# Altium PCB roach2.PcbDoc (part 27 of 39)
Units mil, origin at the board's own origin, x right, y up, seen from the top; angles counter-clockwise.
Board outline 12007.87 x 9606.3 mil, 16 copper layers (L1_TOP, L2_G, L3_S, L4_G, L5_S, L6_P, L7_G, L8_R, L9_R, L10_P, L11_P, L12_S, L13_P, L14_S, L15_G, L16_BOT), stack 81.651 mil thick; 1568 components, 1918 nets, 9251 pads, 6741 vias.
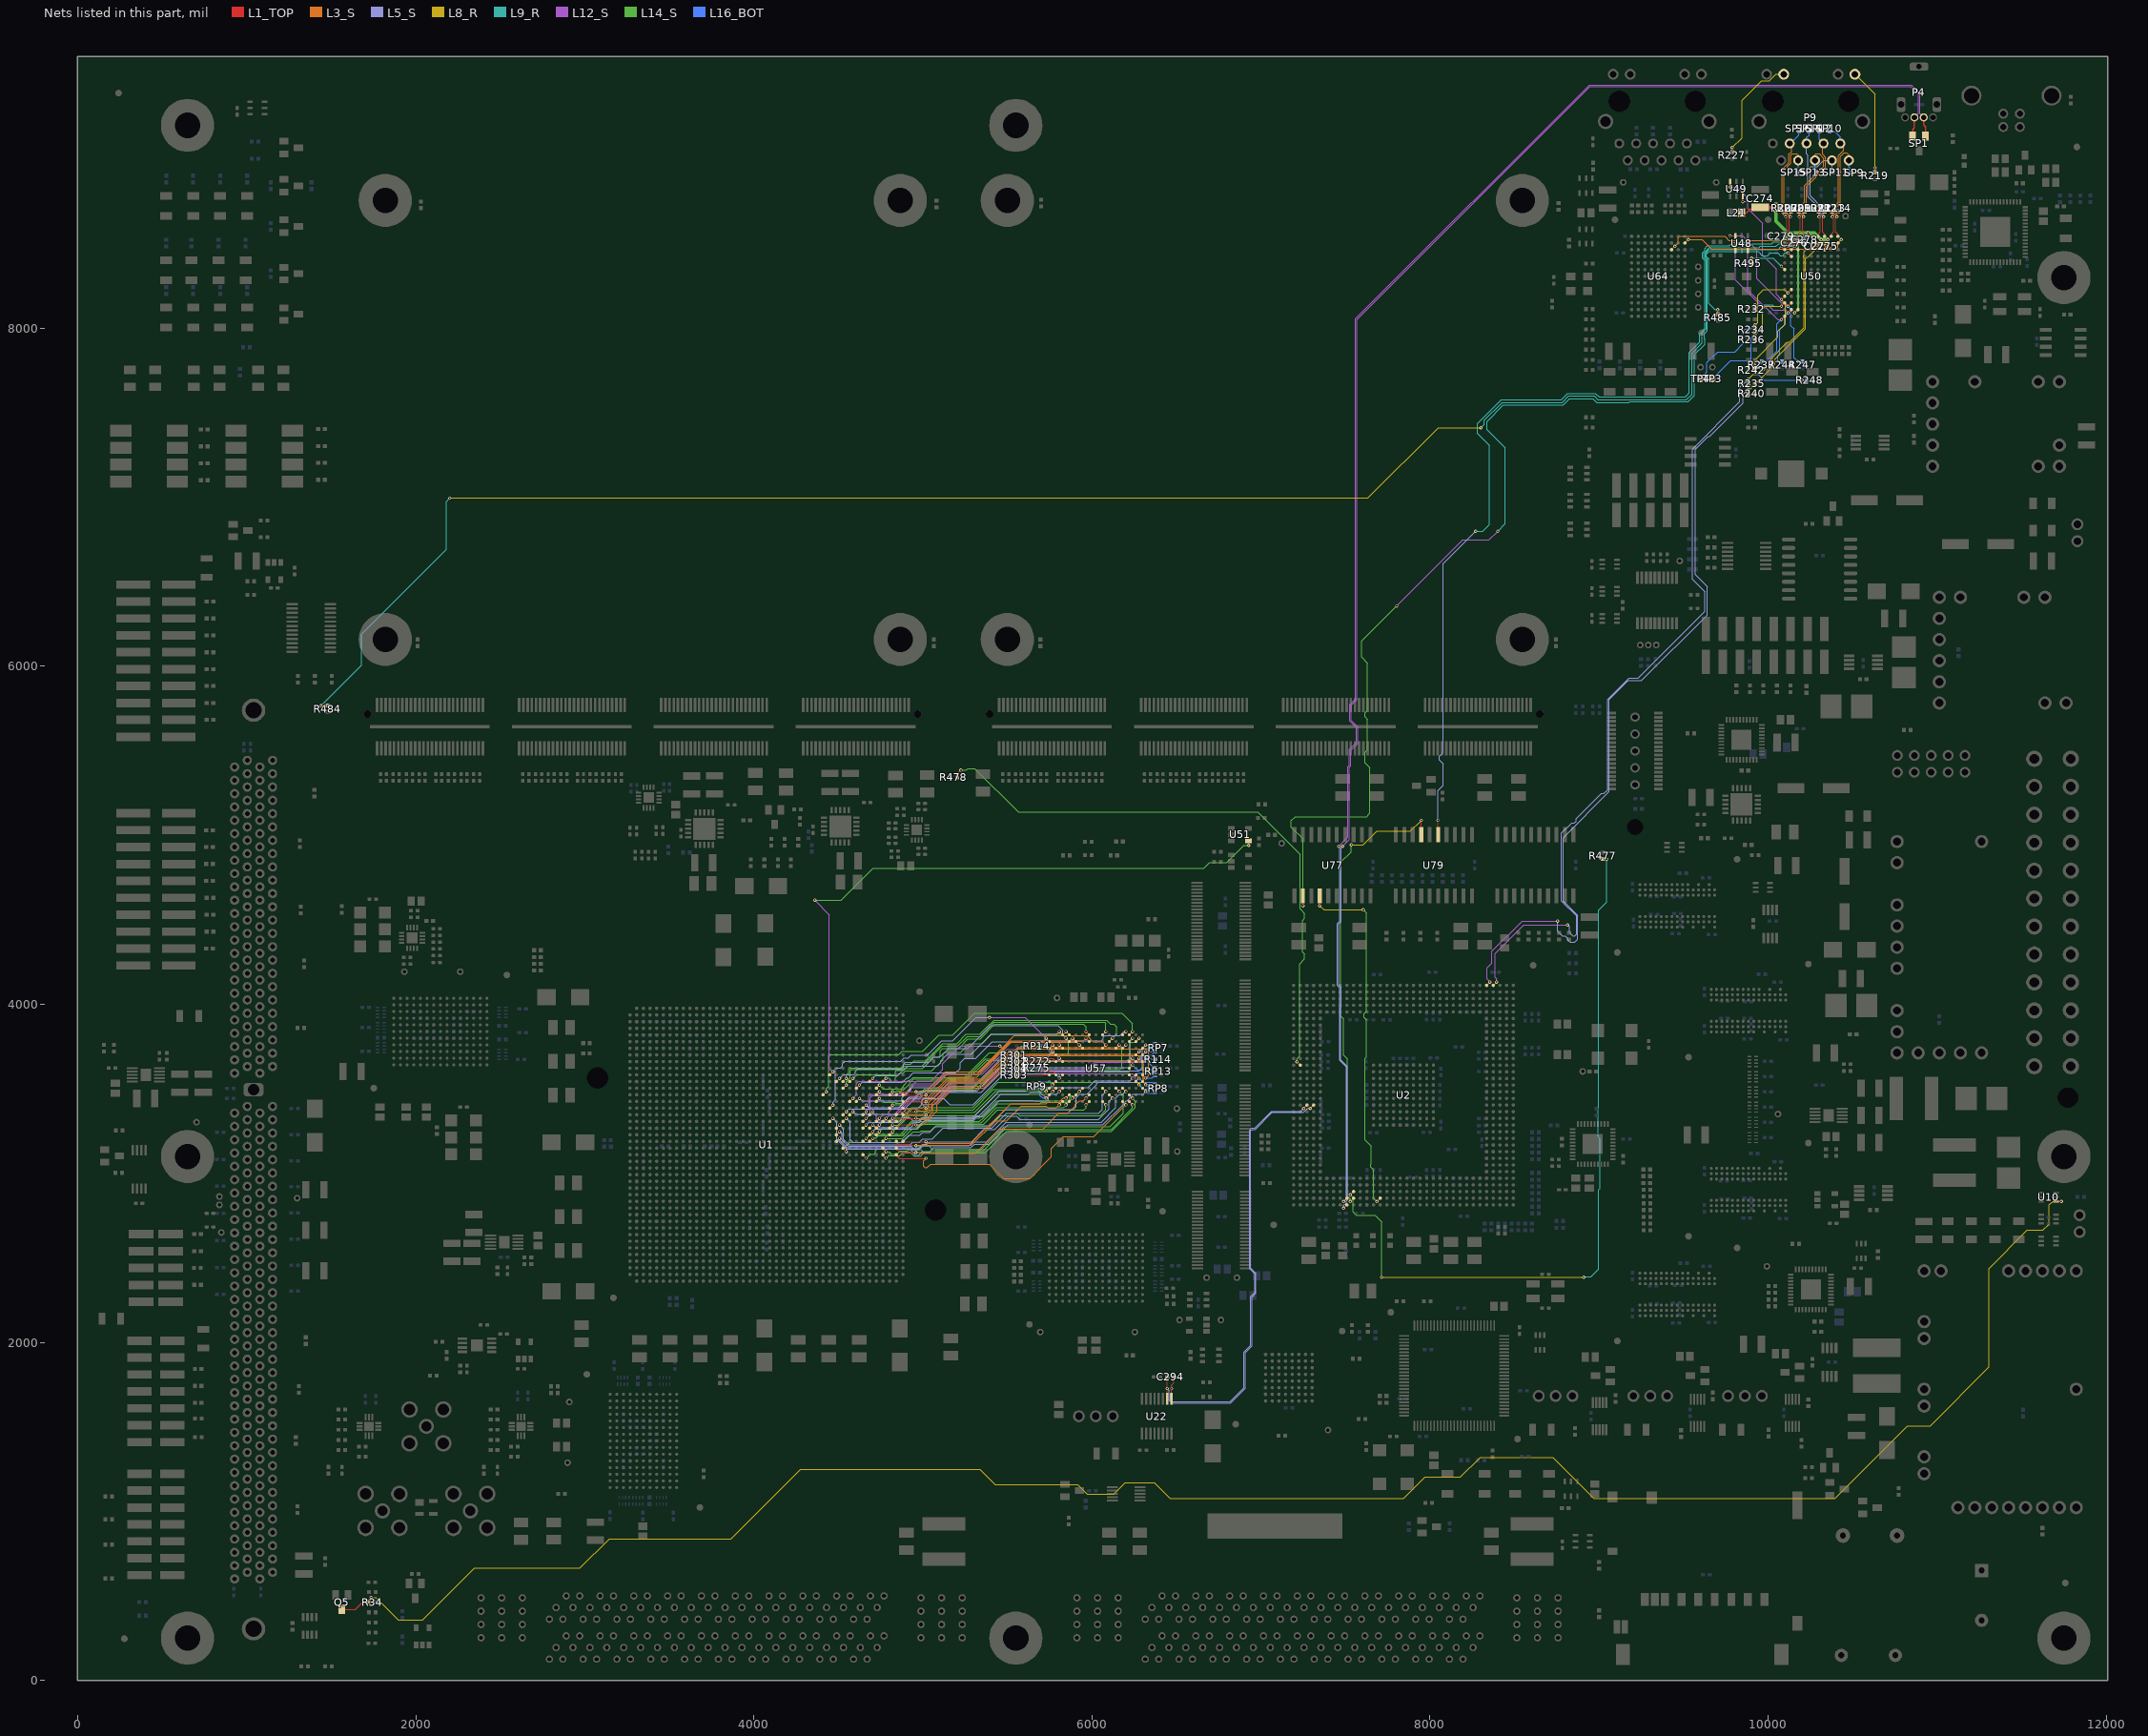
[diagram p41: the nets of this part, all layers, seen from the top]

## Via types
v1: diameter 19.4, hole 10, L1_TOP to L16_BOT, tented both sides, 3354 vias
v2: diameter 19.4, hole 10, L1_TOP to L16_BOT, 1954 vias
v3: diameter 19.4, hole 10, L1_TOP to L16_BOT, tented top, 429 vias
v4: diameter 18.6, hole 10, L1_TOP to L16_BOT, tented both sides, 311 vias
v5: diameter 59.06, hole 39.37, L1_TOP to L16_BOT, 217 vias
v6: diameter 19.4, hole 10.04, L1_TOP to L16_BOT, 125 vias
v7: diameter 19, hole 10, L1_TOP to L16_BOT, 93 vias
v8: diameter 19.4, hole 10, L1_TOP to L16_BOT, tented bottom, 80 vias
v9: diameter 25.98, hole 12.99, L1_TOP to L16_BOT, tented top, 55 vias
v10: diameter 20, hole 10, L1_TOP to L16_BOT, 53 vias
v11: diameter 59.06, hole 39.37, L1_TOP to L16_BOT, tented top, 44 vias
v12: diameter 20, hole 10, L1_TOP to L16_BOT, tented top, 16 vias
v13: diameter 19, hole 10, L1_TOP to L16_BOT, tented top, 5 vias
v14: diameter 25.98, hole 12.99, L1_TOP to L16_BOT, 4 vias
v15: diameter 50, hole 28, L1_TOP to L16_BOT, 1 vias

## Nets (pads, with @x,y where several pads share a name; then routed paths per layer and width w, separated by ;. In a path a pad name is that pad's centre, name@x,y a point inside that pad or via, vN(x,y) a via of type N, cw(c..) or ccw(c..) an arc to the next point about the centre after c; other vN are vias at no path point) (continued)
PPC_TCK: U2.P2 U77.14 | length 2137.3
  L1_TOP w5: v2(7347.99,4583.31) U77.14@7347.99,4641.89 ; v1(7685.51,2833.07) U2.P2@7705.2,2852.76
  L8_R w3.8: v2(7347.99,4583.31) 7372.31,4558.99 v2(7604.99,4558.99)
  L14_S w3.8: v2(7604.99,4558.99) 7606.99,4558.99 7624.99,4540.99 7624.99,3959.34 7610.38,3944.73 7610.38,3922.67 7624.99,3908.06 7624.99,3688.99 7614.99,3678.99 7614.99,3198.99 7653.3,3160.68 7653.3,3056.86 7649.75,3053.32 7649.75,3036.85 7666.99,3019.61 7666.99,2851.59 v1(7685.51,2833.07)
PPC_TDI: R477.2 U2.K3 | length 4440.7
  L1_TOP w5: v1(7528.03,2872.44) U2.K3@7547.72,2892.13 ; R477.2@9022.99,4859.31 v3(9046.52,4859.31)
  L8_R w3.8: v2(7712.99,2384.99) v2(8908.99,2384.99)
  L9_R w3.8: v2(8908.99,2384.99) 8910.99,2386.99 8950.99,2386.99 8997.56,2433.56 8997.56,2903.29 9005.51,2911.24 9005.51,3204.44 8993.23,3216.71 8993.23,3389.3 8997.56,3393.63 8997.56,4555.56 9046.52,4604.52 v3(9046.52,4859.31)
  L14_S w3.8: v1(7528.03,2872.44) 7544.99,2855.48 7544.99,2770.99 7564.99,2750.99 7674.99,2750.99 7712.99,2712.99 v2(7712.99,2384.99)
PPC_TDO: R478.1 U2.B22 | length 3567.5
  L1_TOP w5: R478.1@5202.68,5342.99 5202.68,5362.68 v2(5224.99,5384.99) ; v1(7213.07,3659.84) U2.B22@7232.76,3640.16
  L14_S w3.8: v2(5224.99,5384.99) 5254.89,5384.99 5265.32,5395.42 5306,5395.42 5564.43,5136.99 6980.99,5136.99 7230.99,4886.99 7230.99,4565.09 7258.42,4537.67 7258.42,4508.32 7246.04,4495.94 7246.04,4310.04 7258.42,4297.67 7258.42,4268.32 7228.67,4238.57 7228.67,3692.75 7213.07,3677.15 v1(7213.07,3659.84)
PPC_THERM_N: C294.1 U2.D16 U22.2 | length 2693.6
  L1_TOP w5: C294.1@6445.31,1795 6445.31,1727.32 v2(6444.99,1726.99) 6445.49,1726.49 U22.2@6445.49,1665.35 ; v1(7291.81,3384.25) U2.D16@7311.5,3403.94
  L5_S w3.8: v2@6445.49,1726.49 6457.19,1714.79 6457.19,1657.76 6473.76,1641.19 6820.22,1641.19 6906.99,1727.96 6906.99,1939.96 6947.19,1980.16 6947.19,2267.98 6970.79,2291.58 6970.79,2409.19 6939.72,2440.26 6939.72,3251.02 6948.86,3260.16 6966.16,3260.16 7066.48,3360.48 7250.73,3360.48 7274.5,3384.25 v1(7291.81,3384.25)
PPC_THERM_P: C294.2 U2.C16 U22.1 | length 2643.6
  L1_TOP w5: U22.1@6470.49,1665.35 6470.49,1726.49 v2(6469.99,1726.99) 6469.99,1746.47 6484.69,1761.16 C294.2@6484.69,1795 ; v1(7252.44,3384.25) U2.C16@7272.13,3403.94
  L5_S w3.8: v2@6471.99,1724.99 6470.49,1726.49 6470.49,1698.99 6464.99,1693.49 6464.99,1660.99 6476.99,1648.99 6816.99,1648.99 6899.19,1731.19 6899.19,1943.19 6939.39,1983.39 6939.39,2271.21 6962.99,2294.81 6962.99,2405.96 6931.92,2437.03 6931.92,3254.25 6945.63,3267.96 6962.93,3267.96 7063.25,3368.28 7236.47,3368.28 v1(7252.44,3384.25)
PPC_TMS: U2.K2 U79.7 | length 2746.2
  L1_TOP w5: v1(7528.03,2833.07) U2.K2@7547.72,2852.76 ; U79.7@7947.99,5004.09 v2(7947.99,5088.42)
  L8_R w3.8: v2(7534.99,4942.99) 7604.99,4942.99 7686.99,5024.99 7884.56,5024.99 v2(7947.99,5088.42)
  L14_S w3.8: 7474.79,4542.99 7473.06,4541.26 ; v1(7528.03,2833.07) 7528.03,2850.38 7512.43,2865.98 7512.43,3677.49 7489.39,3700.53 7489.39,3914.59 7473.06,3930.92 7473.06,4541.26 ; v2(7534.99,4942.99) 7532.99,4940.99 7532.99,4900.99 7473.06,4841.06 7473.06,4541.26
PPC_USBD_N: P4.2 SP1.2 U2.J1 | length 9576.3
  L1_TOP w5: v1(7488.66,2793.7) U2.J1@7508.35,2813.39
  L1_TOP w8: SP1.2@10855.59,9136.3 10855.59,9175.59 10865.43,9185.43 P4.2@10865.43,9247.4
  L5_S w3.8: v2(7482.59,4934.99) 7474.79,4927.19 7474.79,4488.79 7460.79,4474.79 7460.79,4114.5 7474.99,4100.3 7474.99,3983.2 7473.06,3981.27 7473.06,3671.95 7512.43,3632.58 7512.43,2865.98 7516.79,2861.62 7516.79,2850.17 7504.26,2837.64 7504.26,2826.61 7488.66,2811.01 v1(7488.66,2793.7)
  L12_S w3.8: v2(7482.59,4934.99) 7522.99,4975.39 7522.99,5402.99 7530.79,5410.79 7530.79,5502.99 7572.99,5545.19 7572.99,5640.22 7532.79,5680.42 7532.79,5768.79 7567.28,5803.28 7567.28,8052.25 8946.02,9430.99 10842.99,9430.99 10890.99,9382.99 10890.99,9272.96 P4.2@10865.43,9247.4
PPC_USBD_P: P4.3 SP1.1 U2.J2 | length 9566.6
  L1_TOP w5: v1(7488.66,2833.07) U2.J2@7508.35,2852.76
  L1_TOP w8: P4.3@10920.55,9247.4 10920.55,9203.54 10932.99,9191.1 10932.99,9138.9 SP1.1@10930.39,9136.3
  L5_S w3.8: v2(7459.19,4934.99) 7466.99,4927.19 7466.99,4492.02 7452.99,4478.02 7452.99,4111.27 7467.19,4097.07 7467.19,3986.43 7465.26,3984.5 7465.26,3668.72 7504.63,3629.35 7504.63,2862.75 7508.99,2858.39 7508.99,2853.4 v1(7488.66,2833.07)
  L12_S w3.8: v2(7459.19,4934.99) 7515.19,4990.99 7515.19,5406.22 7522.99,5414.02 7522.99,5506.22 7565.19,5548.42 7565.19,5636.99 7524.99,5677.19 7524.99,5772.02 7559.48,5806.51 7559.48,8055.48 8942.79,9438.79 10846.22,9438.79 10898.79,9386.22 10898.79,9269.16 P4.3@10920.55,9247.4
PPCGETH_CLK25: R495.2 U50.H9 | length 255.3
  L1_TOP w5: R495.2@9902.68,8382.99 v2(9902.68,8414.43) ; v1(10078.74,8366.14) U50.H9@10098.43,8346.46
  L9_R w3.8: v2(9902.68,8414.43) 10030.46,8414.43 v1(10078.74,8366.14)
PPCLED_ACTIVITY: P9.13 R227.2 | length 640.6
  L1_TOP w5: R227.2@9787.99,9042.68 v2(9787.99,9069.26)
  L8_R w3.8: v2(9787.99,9069.26) 9844.99,9126.26 9844.99,9348.99 9961.04,9465.04 10007.62,9465.04 10045.41,9502.83 P9.13@10091.97,9502.83
PPCLED_DUPLEX: R234.1 TP4.1 U50.E8 | length 968.8
  L1_TOP w5: R234.1@9922.68,7992.99 v2(9922.68,8019.57) ; v1(10118.11,8208.66) U50.E8@10137.8,8228.35
  L8_R w3.8: v2(9922.68,8019.57) 9938.28,8035.17 9938.28,8194.28 9972.99,8228.99 10097.78,8228.99 v1(10118.11,8208.66)
  L16_BOT w5: TP4.1@9600,7700 9600,7703 9637,7740 9637,7796 9701,7860 9803,7860 9853,7910 9853,7980 9867,7994 9897.1,7994 v2(9922.68,8019.57)
PPCLED_LINK: P9.11 R219.2 | length 629.4
  L1_TOP w5: R219.2@10632.99,8922.68 v2(10632.99,8949.26)
  L8_R w3.8: P9.11@10514.02,9502.83 10632.99,9383.86 v2(10632.99,8949.26)
PPCLED_LINK10: R247.1 U48.6 U50.C8 | length 1053.3
  L1_TOP w5: v2(9774.16,8546.3) U48.6@9805.59,8546.3 ; v1(10118.11,8129.92) U50.C8@10137.8,8149.61
  L12_S w3.8: v2(9774.16,8546.3) 9849.68,8546.3 9932.99,8462.99 9932.99,8292.98 10076.18,8149.79 10098.24,8149.79 v1(10118.11,8129.92)
  L16_BOT w5: v1(10118.11,8129.92) 10134.99,8113.04 10134.99,8014.99 10152.99,7996.99 10152.99,7826.1 v2(10176.41,7802.68) R247.1@10202.99,7802.68
PPCLED_LINK100: R244.1 U48.3 U50.B8 | length 958.5
  L1_TOP w5: U48.3@9880.39,8459.68 v2(9880.39,8491.12) ; v1(10118.11,8090.55) U50.B8@10137.8,8110.24
  L12_S w3.8: v2(9880.39,8491.12) 9880.39,8225.59 9972.99,8132.99 10002.99,8132.99 10029.63,8106.36 10102.3,8106.36 v1(10118.11,8090.55)
  L16_BOT w5: R244.1@10082.99,7802.68 10056.41,7802.68 10056.41,7836.41 10068.99,7848.99 10068.99,7990.99 10096.99,8018.99 10096.99,8069.43 v1(10118.11,8090.55)
PPCLED_LINK1000: R237.1 U48.1 U50.A9 | length 947.8
  L1_TOP w5: U48.1@9805.59,8459.68 v2(9805.59,8491.12) ; v1(10078.74,8051.18) U50.A9@10098.43,8070.87
  L12_S w3.8: v2(9805.59,8491.12) 9805.59,8284.39 9968.99,8120.99 9986.99,8120.99 10056.8,8051.18 v1(10078.74,8051.18)
  L16_BOT w5: R237.1@9962.99,7802.68 9989.57,7802.68 10052.99,7866.1 10052.99,8025.43 v1(10078.74,8051.18)
PPCLED_RX: R232.1 R236.1 TP3.1 U50.C9 | length 968.5
  L1_TOP w5: R236.1@9922.68,7932.99 v2(9922.68,7959.57) ; R232.1@9922.68,8112.99 v2(9922.68,8139.57) ; v1(10078.74,8129.92) U50.C9@10098.43,8149.61
  L8_R w3.8: v2(9922.68,7959.57) 9966.99,8003.89 9966.99,8114.99 9981.92,8129.92 v1(10078.74,8129.92)
  L9_R w3.8: v2(9922.68,8139.57) 10024.41,8139.57 10034.06,8129.92 v1(10078.74,8129.92)
  L16_BOT w5: TP3.1@9670,7700 9779,7809 9900.99,7809 9900.99,7937.89 v2(9922.68,7959.57)
PPCLED_TX: R242.1 R248.1 U49.3 U49.6 U50.D9 | length 1799.3
  L1_TOP w5: v2(9775.59,8834.87) U49.3@9775.59,8866.3 ; v2(9850.39,8748.25) U49.6@9850.39,8779.68 ; R242.1@9922.68,7752.99 v2(9922.68,7779.57) ; v1(10078.74,8169.29) U50.D9@10098.43,8188.98
  L8_R w3.8: v2(9922.68,7779.57) 9922.68,7812.58 10058.99,7948.89 10058.99,7982.99 10102.51,8026.51 10102.51,8145.52 v1(10078.74,8169.29)
  L12_S w3.8: v2(9775.59,8834.87) 9817.12,8834.87 9880.99,8770.99 9880.99,8749 ; v2(9850.39,8748.25) 9851.14,8749 9880.99,8749 ; v1(10078.74,8169.29) 10048.99,8199.04 10048.99,8348.99 9966.99,8430.99 9966.99,8620.99 9880.99,8706.99 9880.99,8749
  L16_BOT w5: v2(9922.68,7779.57) 9922.68,7745.31 9974.99,7692.99 v2(10201.72,7692.99) R248.1@10228.31,7692.99
PPCMDI_0_N: P9.2 R213.2 SP10.2 U50.N2 | length 745.3
  L1_TOP w5: U50.N2@10374.02,8543.31 10374.02,8556.99 10387.2,8570.18 10387.2,8612.99 ; R213.2@10377.99,8690.31 10376.5,8687.31 10380,8683.81 v2(10380,8658.99) 10387.2,8651.79 10387.2,8612.99 ; 10387.2,8615.79 10387.2,8612.99
  L3_S w3.8: v2(10380,8658.99) 10386.99,8665.98 10386.99,8714.99 10414.99,8742.99 10414.99,9019.68 10446.99,9051.68 10446.99,9066.99 10427.8,9086.19 P9.2@10427.8,9092.99
  L16_BOT w5: SP10.2@10362.99,9162.99 10394.99,9162.99 10427.8,9130.19 P9.2@10427.8,9092.99
PPCMDI_0_P: P9.1 R214.2 SP9.2 U50.N1 | length 704.3
  L1_TOP w5: R214.2@10412.5,8687.31 10407.4,8682.2 v2(10407.4,8658.99) 10400.2,8651.79 10400.2,8570.18 10413.39,8556.99 U50.N1@10413.39,8543.31
  L3_S w3.8: v2(10407.4,8658.99) 10407.4,8659.31 10398.79,8667.92 10398.79,8706.79 10426.99,8734.99 10426.99,9014.99 10450.99,9038.99 10464.99,9038.99 10477.8,9026.19 P9.1@10477.8,8992.99
  L16_BOT w5: P9.1@10477.8,8992.99 10477.8,8954.19 10492.99,8938.99 SP9.2@10492.99,8919.99
PPCMDI_1_N: P9.6 R211.2 SP14.2 U50.N4 | length 707.6
  L1_TOP w5: U50.N4@10295.28,8543.31 10295.28,8556.99 10308.46,8570.18 10308.46,8612.99 ; R211.2@10297.99,8690.31 10297.76,8687.31 10301.26,8683.81 v2(10301.26,8658.99) 10308.46,8651.79 10308.46,8612.99 ; 10308.46,8615.79 10308.46,8612.99
  L5_S w3.8: P9.6@10227.8,9092.99 10226.99,9092.19 10226.99,9030.99 10236.5,9021.48 10236.5,8779.55 10309.06,8706.99 10309.06,8666.79 v2(10301.26,8658.99)
  L16_BOT w5: P9.6@10227.8,9092.99 10227.8,9127.8 10242.99,9142.99 SP14.2@10242.99,9162.99
PPCMDI_1_P: P9.3 R212.2 SP11.2 U50.N3 | length 702.7
  L1_TOP w5: R212.2@10333.99,8690.31 10333.76,8687.31 10328.66,8682.2 v2(10328.66,8658.99) 10321.46,8651.79 10321.46,8570.18 10334.65,8556.99 U50.N3@10334.65,8543.31
  L5_S w3.8: v2(10328.66,8658.99) 10320.86,8666.79 10320.86,8711.88 10248.3,8784.44 10248.3,8952.3 10253.56,8957.56 10292.47,8957.56 10327.9,8992.99 P9.3@10377.8,8992.99
  L16_BOT w5: P9.3@10377.8,8992.99 10377.8,8946.19 10382.99,8940.99 SP11.2@10382.99,8922.99
PPCMDI_2_N: P9.5 R209.2 SP13.2 U50.N7 | length 735.2
  L1_TOP w5: U50.N7@10177.17,8543.31 10177.17,8556.99 10190.35,8570.18 10190.35,8612.99 ; R209.2@10179.99,8690.31 10179.65,8687.31 10183.15,8683.81 v2(10183.15,8658.99) 10190.35,8651.79 10190.35,8612.99 ; 10190.35,8615.79 10190.35,8612.99
  L3_S w3.8: v2(10183.15,8658.99) 10189.19,8665.03 10189.19,8721.88 10215.19,8747.88 10215.19,8843.19 10328.99,8956.99 10328.99,9004.99 10302.99,9030.99 10282.99,9030.99 10277.8,9025.8 P9.5@10277.8,8992.99
  L16_BOT w5: P9.5@10277.8,8992.99 10277.8,8954.19 10282.99,8948.99 SP13.2@10282.99,8922.99
PPCMDI_2_P: P9.4 R210.2 SP12.2 U50.N6 | length 743.2
  L1_TOP w5: R210.2@10215.99,8690.31 10215.65,8687.31 10210.55,8682.2 v2(10210.55,8658.99) 10203.35,8651.79 10203.35,8570.18 10216.54,8556.99 U50.N6@10216.54,8543.31
  L3_S w3.8: v2(10210.55,8658.99) 10210.55,8659.31 10200.99,8668.87 10200.99,8716.99 10226.99,8742.99 10226.99,8838.3 10340.99,8952.3 10340.99,9010.99 10322.99,9028.99 10322.99,9088.19 P9.4@10327.8,9092.99
  L16_BOT w5: SP12.2@10302.99,9162.99 10302.99,9117.8 P9.4@10327.8,9092.99
PPCMDI_3_N: P9.8 R207.2 SP16.2 U50.N9 | length 732.5
  L1_TOP w5: U50.N9@10098.43,8543.31 10098.43,8556.99 10111.61,8570.18 10111.61,8612.99 ; R207.2@10099.99,8690.31 10100.91,8687.31 10104.41,8683.81 v2(10104.41,8658.99) 10111.61,8651.79 10111.61,8612.99 ; 10111.61,8615.79 10111.61,8612.99
  L3_S w3.8: v2(10104.41,8658.99) 10082.99,8680.41 10082.99,8939.68 10122.99,8979.68 10122.99,9029.68 10138.1,9044.79 10138.1,9082.68 P9.8@10127.8,9092.99 P9.8@10122.99,9088.19
  L16_BOT w5: P9.8@10127.8,9092.99 10132.99,9092.99 10182.99,9142.99 SP16.2@10182.99,9162.99
PPCMDI_3_P: P9.7 R208.2 SP15.2 U50.N8 | length 710
  L1_TOP w5: R208.2@10135.99,8690.31 10136.91,8687.31 10131.81,8682.2 v2(10131.81,8658.99) 10124.61,8651.79 10124.61,8570.18 10137.8,8556.99 U50.N8@10137.8,8543.31
  L3_S w3.8: v2(10131.81,8658.99) 10131.81,8659.31 10112.53,8678.59 10112.21,8678.59 10094.79,8696.01 10094.79,8934.79 10134.79,8974.79 10134.79,9024.79 10142.99,9032.99 10170.99,9032.99 10177.8,9026.19 P9.7@10177.8,8992.99
  L16_BOT w5: SP15.2@10172.99,8922.99 10172.99,8944.99 10177.8,8949.8 P9.7@10177.8,8992.99
PPCNET_AVDD: C274.2 C275.2 C276.2 C277.2 C278.2 C279.2 L21.2 U50.B7 U50.M3 U50.M4 U50.M7 U50.M8 U50.N5 | length 1472.8
  L1_TOP w5: v1(10118.11,8523.62) U50.M8@10137.8,8503.94 ; v1(10157.48,8090.55) U50.B7@10177.17,8110.24 ; v1(10157.48,8523.62) U50.M7@10177.17,8503.94 ; v1(10236.22,8562.99) U50.N5@10255.91,8543.31 ; U50.M4@10295.28,8503.94 v1(10314.96,8523.62) ; U50.M3@10334.65,8503.94 v1(10354.33,8523.62)
  L1_TOP w10: L21.2@9842.52,8682.99 9872.99,8682.99 9894.84,8704.84 C274.2@9952.99,8704.84
  L1_TOP w20: C274.2@9952.99,8714.84 10046.14,8714.84 v5(10046.99,8713.99)
  L14_S w10: v1(10157.48,8090.55) 10176.99,8110.06 10176.99,8504.11 v1(10157.48,8523.62)
  L14_S w20: v5(10046.99,8713.99) 10046.99,8632.99 10118.11,8561.87 v1(10118.11,8523.62) v1(10157.48,8523.62) ; 10120.08,8562.99 v1(10236.22,8562.99) 10275.59,8562.99 v1(10314.96,8523.62) v1(10354.33,8523.62)
  L16_BOT w10: C279.2@10098.43,8544.29 10098.43,8542.56 v1@10117.74,8523.25 ; C276.2@10137.8,8503.94 v1@10156.85,8522.99 ; C278.2@10216.54,8543.31 v1@10232.99,8559.76 ; C277.2@10295.28,8503.94 v1@10314.33,8522.99 ; C275.2@10334.65,8503.94 10334.65,8504.65 v1@10352.99,8522.99
PPCNET_MDC: R235.2 U2.AL34 U50.L3 U64.L3 | length 6870.1
  L1_TOP w5: U2.AL34@8374.49,4112.6 v1(8394.17,4132.28) ; U64.L3@9429.13,8464.57 v1(9448.82,8484.25) ; R235.2@9883.31,7672.99 v2(9883.31,7699.57) ; U50.L3@10334.65,8464.57 v1(10354.33,8484.25)
  L3_S w3.94: v1(9448.82,8484.25) 9468.5,8503.94 9468.5,8535.43 9476.38,8543.31 9744.09,8543.31 9767.72,8519.68 9807.09,8519.68 9827.57,8499.2 9857.33,8499.2 9877.06,8518.93 10091.31,8518.93 10106.3,8503.94 10240.16,8503.94 10259.84,8484.25 10292.8,8484.25 10308.47,8499.92 10321.45,8499.92 10337.12,8484.25 v1(10354.33,8484.25)
  L5_S w3.8: v3(8812.99,4468.99) 8824.99,4456.99 8824.99,4424.99 8844.99,4404.99 8855.05,4404.99 8866.59,4416.53 8866.59,4522.05 8778.39,4610.25 8778.39,5012.39 8838.82,5072.82 8854.45,5072.82 8863.59,5081.96 8863.59,5097.59 9012.99,5246.99 9029.38,5246.99 9049.92,5267.53 9049.92,5802.95 9177.96,5930.99 9230.99,5930.99 9624.99,6324.99 9624.99,6440.99 9553.15,6512.83 9553.15,7285.15 9832.99,7564.99 9832.99,7649.26 v2(9883.31,7699.57)
  L8_R w3.8: v2(9883.31,7699.57) 9910.72,7726.99 9936.99,7726.99 9948.34,7738.34 9948.34,7738.75 9957.47,7747.88 9973.88,7747.88 10016.99,7790.99 10016.99,7820.99 10113.56,7917.56 10127.67,7917.56 10212.45,8002.35 10212.45,8413.53 10208.99,8416.99 10208.99,8431.5 10212.45,8434.96 10212.45,8450.45 10224.99,8462.99 10248.99,8462.99 10293.65,8507.65 10330.93,8507.65 v1(10354.33,8484.25)
  L12_S w3.8: v1(8394.17,4132.28) 8394.17,4149.81 8384.99,4158.99 8384.99,4298.99 8554.99,4468.99 v3(8812.99,4468.99)
PPCNET_MDIO: R240.2 U2.AK34 U50.M1 U64.M1 | length 7025.4
  L1_TOP w5: U2.AK34@8335.12,4112.6 v1(8354.8,4132.28) ; U64.M1@9507.87,8503.94 v1(9527.56,8523.62) ; R240.2@9883.31,7612.99 v2(9883.31,7639.57) ; U50.M1@10413.39,8503.94 v1(10433.07,8523.62)
  L3_S w5: v1(9527.56,8523.62) 9610.24,8523.62 9665.35,8468.5 10071.58,8468.5 10072.03,8468.05 10405.06,8468.05 10413.39,8476.38 10413.39,8503.94 v1(10433.07,8523.62)
  L5_S w3.8: v3(8754.99,4492.99) 8754.99,4432.99 8782.99,4404.99 8800.99,4404.99 8814.99,4390.99 8814.99,4381.05 8828.02,4368.02 8857.45,4368.02 8874.39,4384.96 8874.39,4525.28 8788.39,4611.28 8788.39,4986.39 9060.39,5258.39 9060.39,5802.39 9172.99,5914.99 9250.99,5914.99 9638.99,6302.99 9638.99,6470.99 9568.9,6541.09 9568.9,7282.9 9644.99,7358.99 9654.99,7358.99 9852.99,7556.99 9852.99,7609.26 v2(9883.31,7639.57)
  L8_R w3.8: v2(9883.31,7639.57) 9893.29,7639.57 10040.81,7787.1 10040.81,7818.28 10220.62,7998.09 10220.62,8411.97 10229.76,8421.11 10234.51,8421.11 10299.36,8485.96 10299.36,8490.71 10308.5,8499.85 10321.42,8499.85 10338.73,8482.54 10338.73,8477.79 10347.87,8468.65 10360.79,8468.65 10378.1,8485.96 10378.1,8490.71 10387.24,8499.85 10409.3,8499.85 v1(10433.07,8523.62)
  L12_S w3.8: v1(8354.8,4132.28) 8336.99,4150.1 8336.99,4214.99 8366.99,4244.99 8366.99,4314.99 8544.99,4492.99 v3(8754.99,4492.99)
PPCNET_TCK: U50.L9 U77.12 | length 6612.8
  L1_TOP w5: v2(7247.99,4583.31) U77.12@7247.99,4641.89 ; v1(10078.74,8484.25) U50.L9@10098.43,8464.57
  L9_R w3.8: v2(8400.99,6798.99) 8444.99,6842.99 8444.99,7290.99 8336.99,7398.99 8336.99,7448.3 8434.43,7545.74 8789.74,7545.74 8826.65,7582.65 8964.65,7582.65 8985.9,7561.39 9177.33,7561.39 9180.53,7564.59 9527.28,7564.59 9564.99,7602.3 9564.99,7844.3 9626.02,7905.33 9626.02,7935.86 9623.56,7938.32 9623.56,7967.67 9641.59,7985.69 9641.59,8408.03 9628.33,8421.3 9628.33,8440.68 9641.59,8453.95 9641.59,8456.59 9649.99,8464.99 10059.48,8464.99 v1(10078.74,8484.25)
  L12_S w3.8: v2(7802.99,6356.99) 8193.69,6747.69 8349.69,6747.69 v2(8400.99,6798.99)
  L14_S w3.8: v2(7247.99,4583.31) 7247.99,4979.99 7178.99,5048.99 7178.99,5086.99 7202.99,5110.99 7627.05,5110.99 7636.59,5120.53 7636.59,5124.59 7642.99,5130.99 7642.99,5400.99 7614.99,5428.99 7614.99,5490.99 7630.99,5506.99 7630.99,5685.93 7615.68,5701.24 7615.68,5723.3 7630.99,5738.62 7630.99,6016.99 7594.99,6052.99 7594.99,6150.99 7800.99,6356.99 v2(7802.99,6356.99)
PPCNET_TDI: R484.2 U50.L7 | length 10713.4
  L1_TOP w5: v2(1439.3,5767.08) 1439.9,5767.68 R484.2@1477.99,5767.68 ; v1(10157.48,8484.25) U50.L7@10177.17,8464.57
  L8_R w3.8: v2(2200.99,6994.99) 7632.99,6994.99 8048.99,7410.99 v2(8300.99,7410.99)
  L9_R w3.8: v2(1439.3,5767.08) 1680,6007.78 1680,6190 2180.99,6690.99 2180.99,6946.99 ; 2180.99,6948.99 2180.99,6946.99 ; v2(2200.99,6994.99) 2180.99,6974.99 2180.99,6946.99 ; v2(8300.99,7410.99) 8321.19,7431.19 8321.19,7454.85 8427.88,7561.54 8783.19,7561.54 8820.1,7598.45 8971.19,7598.45 8992.45,7577.19 9517.54,7577.19 9549.19,7608.85 9549.19,7850.85 9610.22,7911.88 9610.22,7972.44 9633.79,7996.01 9633.79,8404.8 9620.53,8418.07 9620.53,8443.92 9633.79,8457.18 9633.79,8459.82 9650.96,8476.99 9797.65,8476.99 9799.13,8475.52 9812.05,8475.52 9813.53,8476.99 9872.46,8476.99 9873.93,8475.52 9886.86,8475.52 9888.33,8476.99 9946.99,8476.99 9954.25,8484.25 10047.54,8484.25 10063.14,8499.85 10088.15,8499.85 10098,8490 10098,8477 10107,8468 10141.23,8468 v1(10157.48,8484.25)
PPCNET_TDO: R485.1 U50.K8 | length 938.4
  L1_TOP w5: R485.1@9702.99,8082.68 v2(9702.99,8109.26) ; v1(10118.11,8444.88) U50.K8@10137.8,8425.2
  L9_R w3.8: v2(9702.99,8109.26) 9686.72,8109.26 9649.39,8146.59 9649.39,8411.26 9636.13,8424.53 9636.13,8437.45 9649.39,8450.72 9649.39,8452.39 9649.99,8452.99 9940.99,8452.99 9964.7,8429.28 9997.28,8429.28 10012.88,8444.88 10056.68,8444.88 10072.28,8429.28 10085.2,8429.28 10100.8,8444.88 v1(10118.11,8444.88)
PPCNET_TMS: U50.L8 U79.5 | length 5441.1
  L1_TOP w5: U79.5@8047.99,5004.09 v2(8047.99,5088.42) ; v1(10118.11,8484.25) U50.L8@10137.8,8464.57
  L5_S w3.8: v2(8047.99,5088.42) 8047.99,5263.99 8078.99,5294.99 8078.99,5422.93 8055.68,5446.24 8055.68,5468.3 8078.99,5491.62 8078.99,6606.99 v2(8270.99,6798.99)
  L9_R w3.8: v2(8270.99,6798.99) 8312.99,6798.99 8350.99,6836.99 8350.99,7306.99 8280.99,7376.99 8280.99,7436.99 8421.34,7577.34 8776.65,7577.34 8813.56,7614.25 8890.71,7614.25 8891.76,7613.19 8978.79,7613.19 8998.99,7592.99 9510.99,7592.99 9533.39,7615.39 9533.39,7857.39 9594.42,7918.42 9594.42,7967.67 9625.99,7999.24 9625.99,8401.57 9612.73,8414.84 9612.73,8447.15 9625.99,8460.41 9625.99,8471.99 9640.99,8486.99 9768.99,8486.99 9788.72,8506.72 9829.08,8506.72 9836.53,8499.27 9849.45,8499.27 9856.91,8506.72 9886.86,8506.72 9893.72,8499.85 10019.85,8499.85 10032,8512 10090.36,8512 v1(10118.11,8484.25)